# Altium PCB mdriver_power.PcbDoc (part 5 of 5)
Units mm, origin at the board's own origin, x right, y up, seen from the top; angles counter-clockwise.
Board outline 219 x 190 mm, 4 copper layers (Top Layer, Int1 (GND), Int2 (PWR), Bottom Layer), stack 1.369 mm thick; 308 components, 215 nets, 985 pads, 431 vias.
Unrouted connection lines stored in the file: 74.
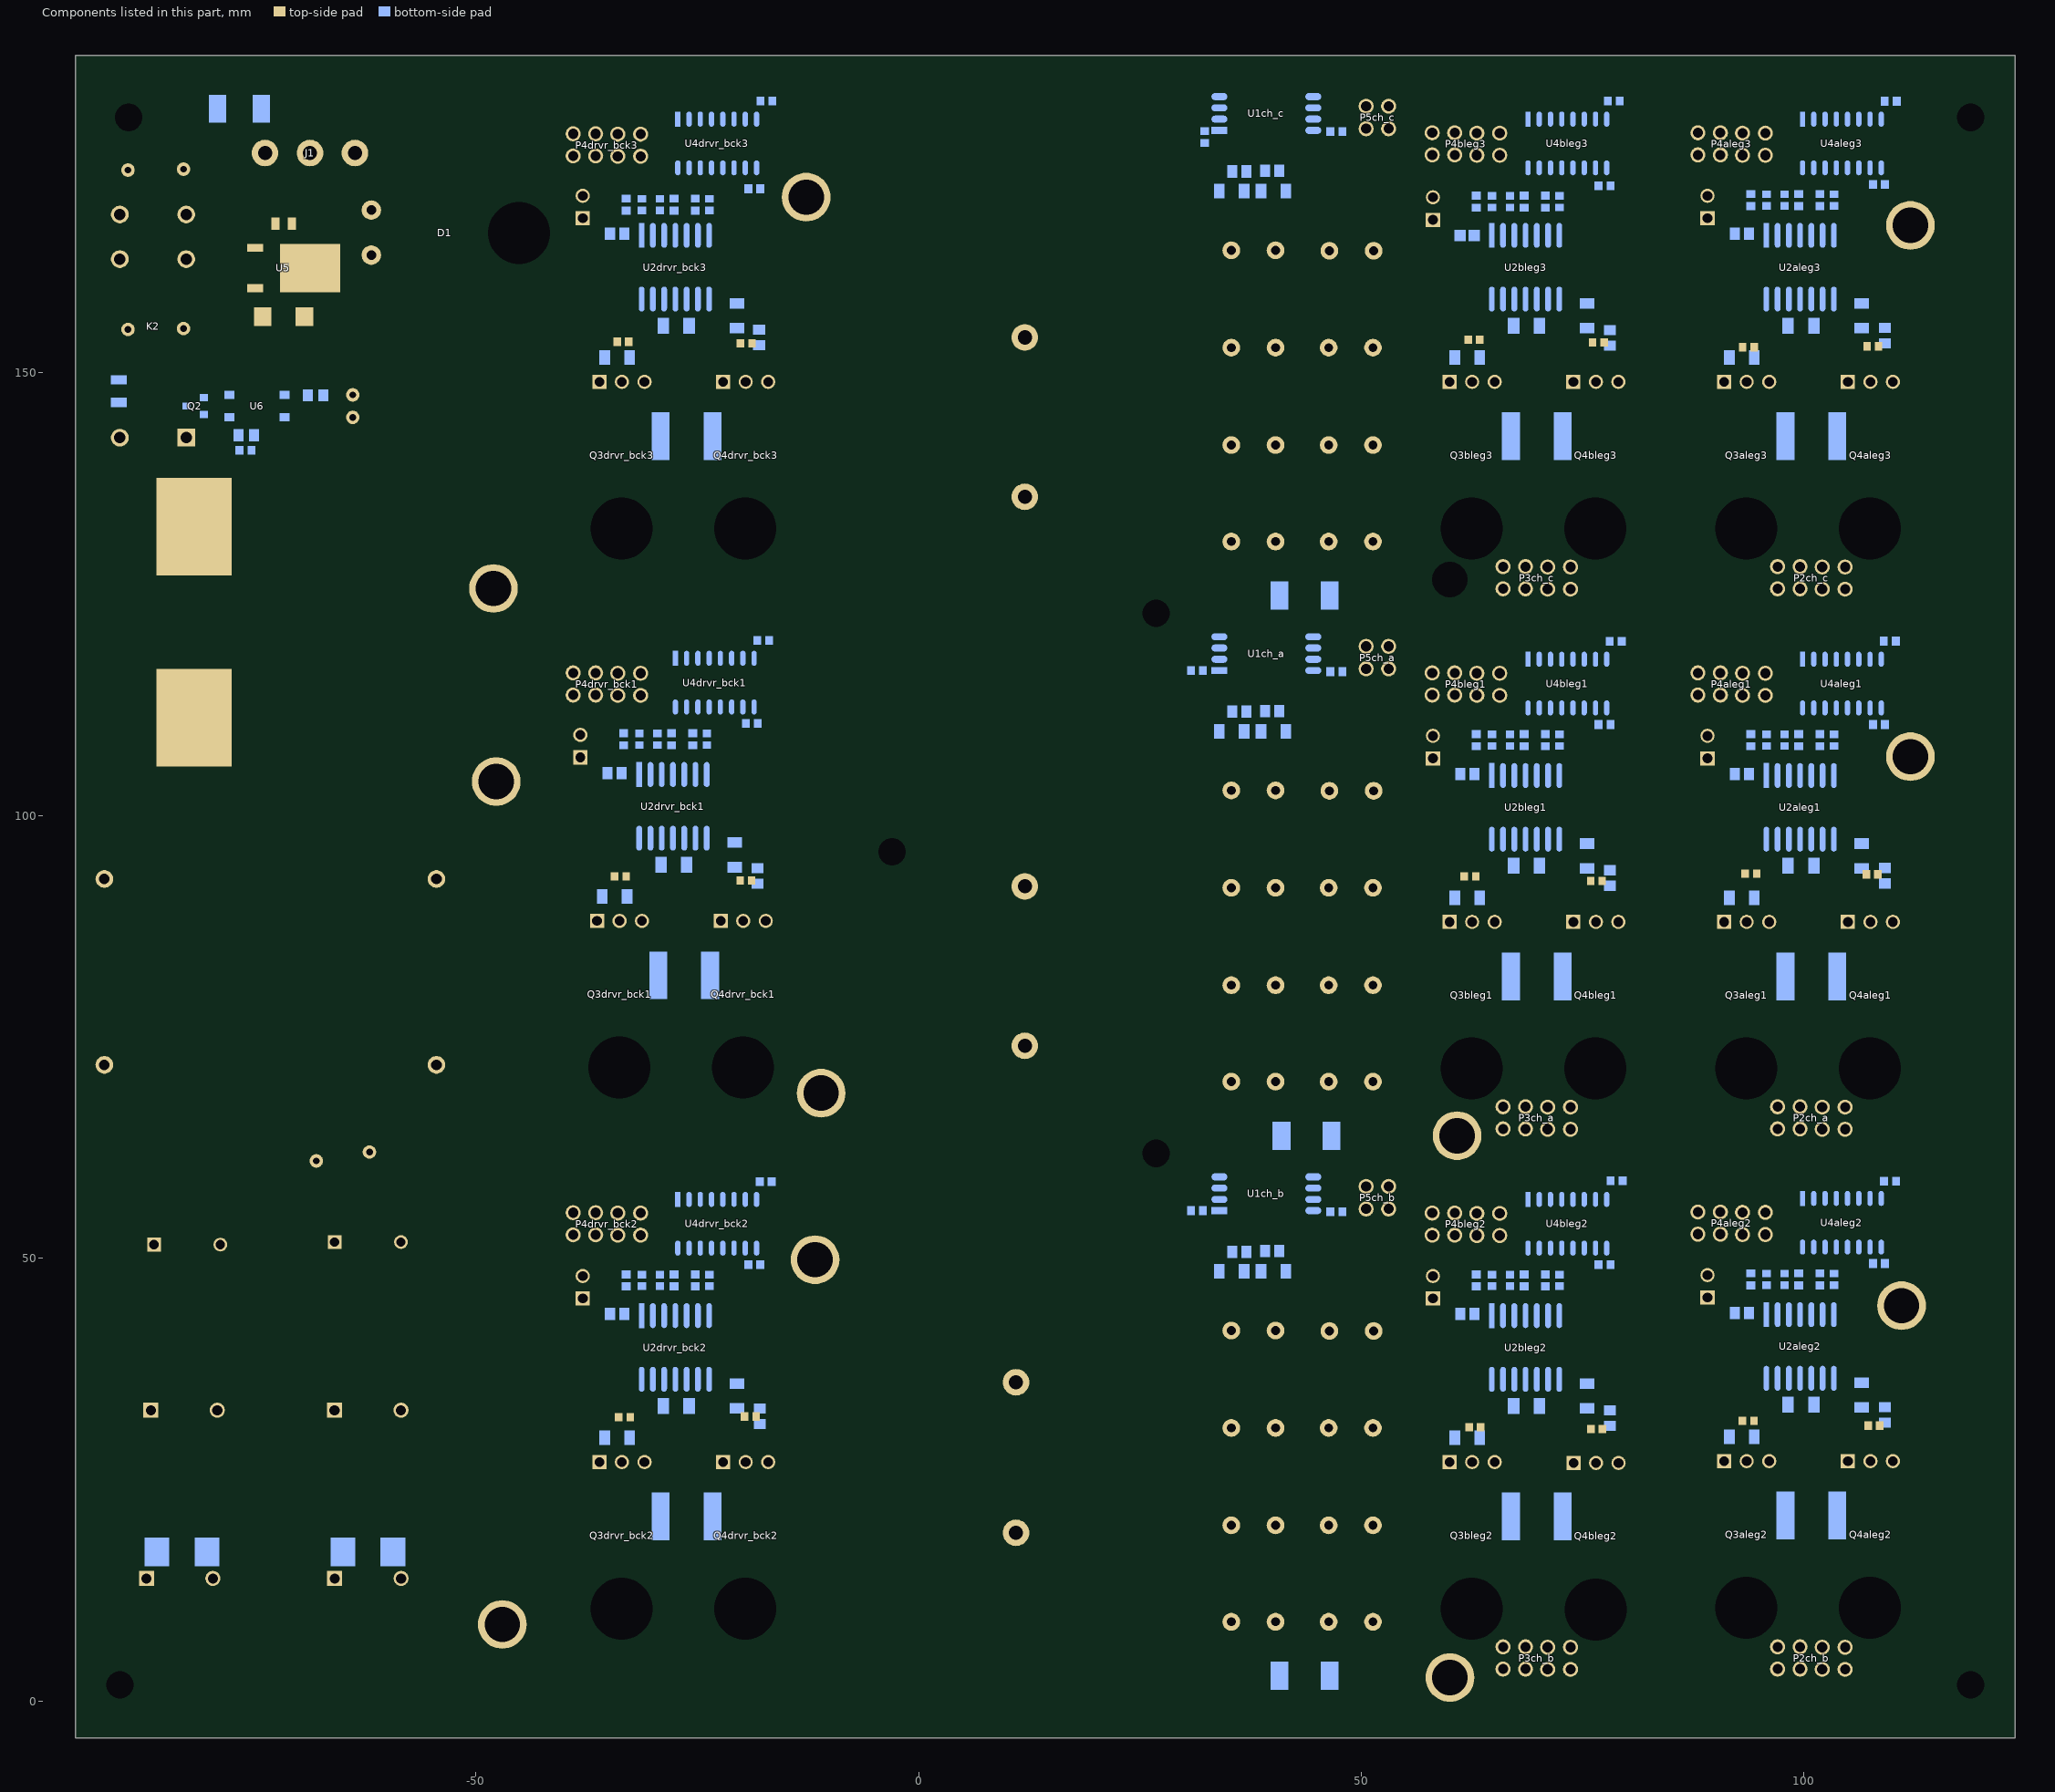
[diagram p7: the components of this part, seen from the top]

## Silkscreen, mask and mechanical layers (free items; w line width, h text height) (continued)
Mechanical 6:
  circle w0.254: c-47.185,22.834 r2.2
  circle w0.254: c-19.55,10.413 r2.2
  circle w0.254: c-33.52,10.438 r2.2
  circle w0.254: c-19.829,71.525 r2.2
  circle w0.254: c-33.799,71.525 r2.2
  circle w0.254: c-19.55,132.409 r2.2
  circle w0.254: c-33.545,132.409 r2.2
  circle w0.254: c-12.19,96.842 r2.2
  circle w0.254: c-12.19,157.842 r2.2
  circle w0.254: c-45.19,156.842 r2.2
  circle w0.254: c-12.19,0.842 r2.2
  circle w0.254: c-47.19,0.842 r2.2
  lines w0.254: -51.69,3.342 -51.69,-2.158 -45.94,-2.158 ; -50.44,12.842 -40.44,12.842
  text "10mm" at -50.186,14.096 h1.52